# Altium PCB PCB5_制版20140402.PcbDoc (part 4 of 5) (continued)
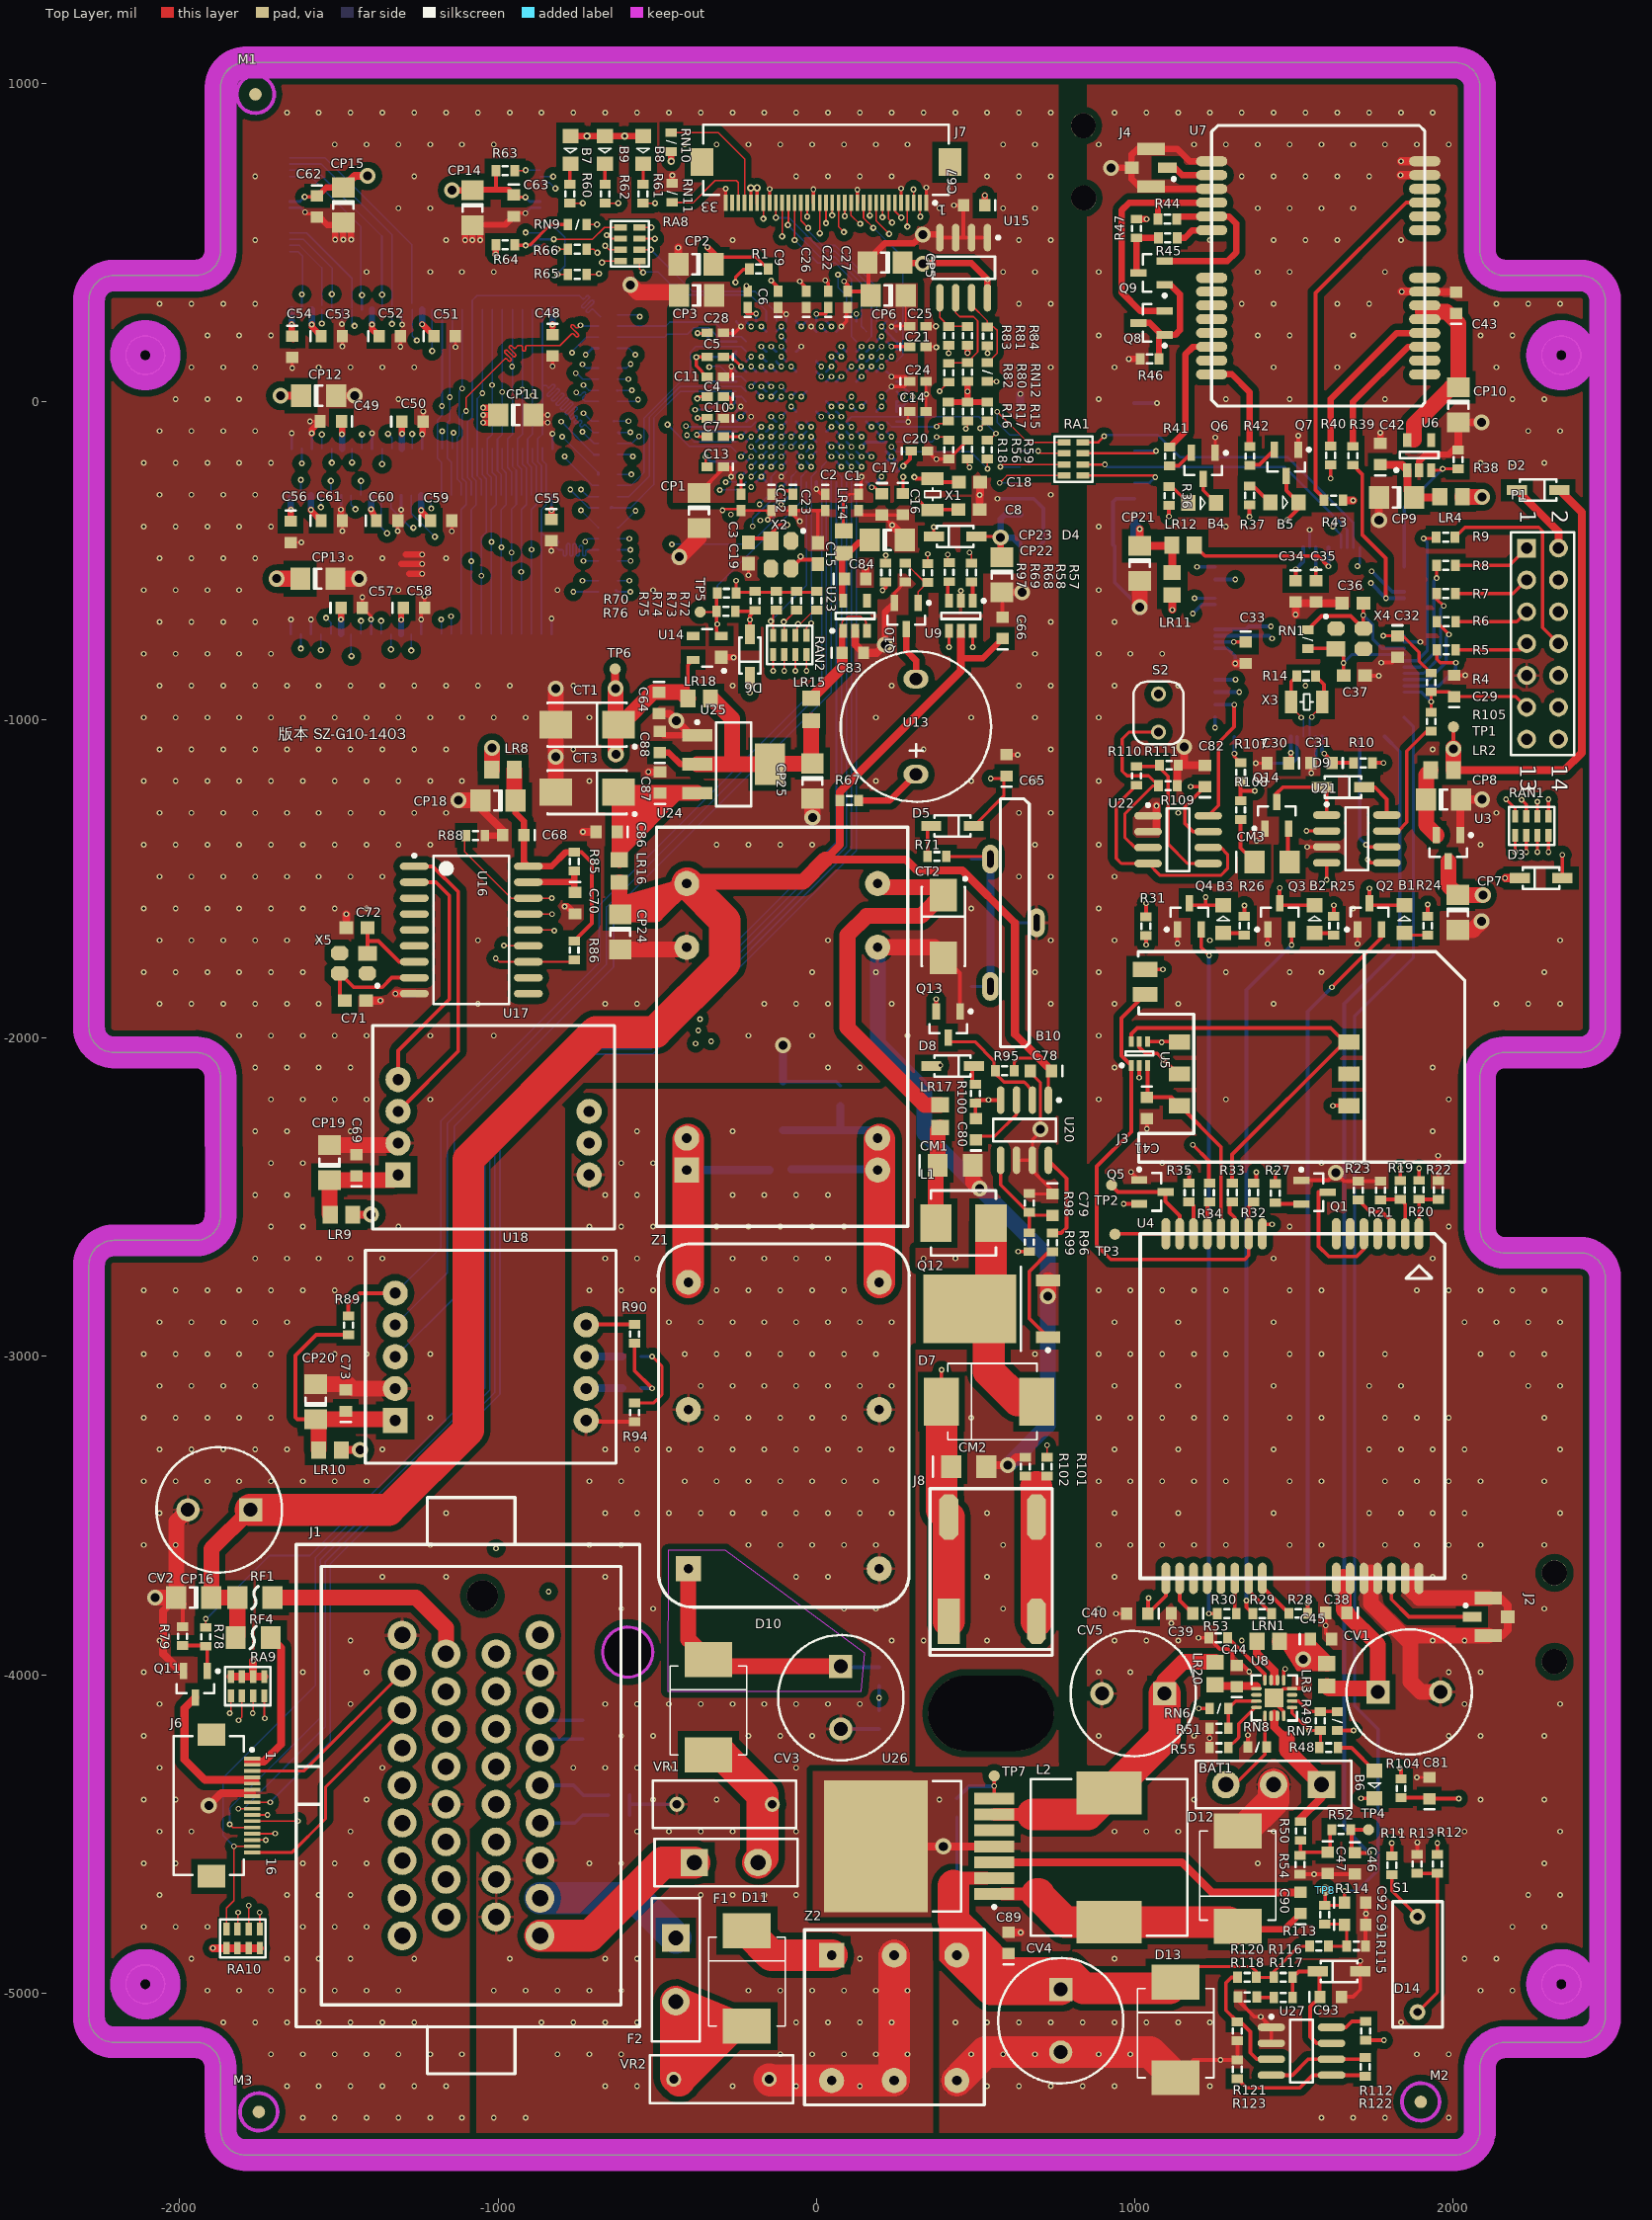
[diagram p0: Top Layer view]
## Nets (pads, with @x,y where several pads share a name; then routed paths per layer and width w, separated by ;. In a path a pad name is that pad's centre, name@x,y a point inside that pad or via, vN(x,y) a via of type N, cw(c..) or ccw(c..) an arc to the next point about the centre after c; other vN are vias at no path point) (continued)
  Top Layer w8: RA1.3@830.31,-162.5 RA1.3@838,-162.5 1059.5,-162.5 v1(1067,-155)
  ADDR w8: v1(1067,-155) 1385,-155 v1(1623,-393)
  Bottom Layer w8: U19.12@999.13,-155 v1(1067,-155) ; v1(1623,-393) 1648.18,-418.18 U2.68@1648.18,-457.98
MPLLCAP: C16.1 U1.N14 | length 218.1
  Top Layer w10: C16.1@272.76,-274.95 v5(272.76,-236.28)
  ADDR w5: v2(141.73,-173.23) 166.75,-198.25 201.96,-198.25 240,-236.28 v5(272.76,-236.28)
  Bottom Layer w8: U1.N14@125.99,-157.48 v2(141.73,-173.23)
MPLUSE: B5.2 Q7.3 U2.32 | length 801.7
  Top Layer w12: Q7.3@1476.76,-233.57 1476.76,-278.72 B5.2@1514.26,-316.23 1514.26,-336.74 v1(1479,-372)
  ADDR w12: v1(1317.34,-873.34) 1385,-805.68 1385,-466 v1(1479,-372)
  Bottom Layer w12: U2.32@1252.51,-873.34 v1(1317.34,-873.34)
MR: D9.1 Q14.3 U21.1 | length 276.6
  Top Layer w12: Q14.3@1444.16,-1262.55 1444.16,-1232.84 1465.77,-1211.23 D9.1@1587.83,-1211.23 1603.51,-1226.91 U21.1@1603.51,-1299
MRI: B1.2 Q2.3 U2.30 | length 1087.2
  Top Layer w10: Q2.3@1744.33,-1582.46 B1.2@1847.76,-1582.46
  Top Layer w12: Q2.3@1737.76,-1575.89 v1(1737.76,-1529.76)
  ADDR w12: v1(1329,-913) 1347,-931 1347,-1267 1520.91,-1440.91 1648.91,-1440.91 v1(1737.76,-1529.76)
  Bottom Layer w12: U2.30@1252.51,-912.71 1328.71,-912.71 v1(1329,-913)
MRST: C29.1 D3.1 P1.11 R4.2 R105.2 U2.96 | length 1065.9
  Top Layer w10: R4.2@1930.8,-912.71 R4.2@1931.76,-911.76 ; R105.2@1931.76,-975.7 v1(1931.76,-943) R4.2@1931.76,-911.76 ; P1.11@2231.76,-960.23 2198.22,-926.69 C29.1@2003.76,-926.69 1988.82,-911.76 R4.2@1931.76,-911.76 ; D3.1@2343.93,-1497 v1@2343.93,-1424.07
  ADDR w10: P1.11@2231.76,-960.23 2287,-1015.47 2287,-1173 2344,-1230 v1(2344,-1424)
  Bottom Layer w10: U2.96@1847,-912.71 1901.46,-912.71 v1(1931.76,-943)
MSPICLK1/GPG7: RA1.1 U2.71 U19.14 | length 1135.6
  Top Layer w8: RA1.1@830.31,-232.5 RA1.1@838,-232.5 1060.5,-232.5 v1(1065,-237)
  ADDR w8: v1(1065,-237) 1067,-235 1422,-235 1703,-516 1702,-517 v1(1700,-517)
  DATA w8: v1(1700,-517) v1@1704,-521
  Bottom Layer w8: U19.14@999.13,-255 1047,-255 v1(1065,-237) ; v1@1699,-516 1707.24,-507.76 U2.71@1707.24,-457.98
MSPISI1/GPG6: RA1.2 U2.69 U19.13 | length 978.3
  Top Layer w8: RA1.2@830.31,-197.5 RA1.2@838,-197.5 v1(906.5,-197.5)
  Bottom Layer w8: v1(906.5,-197.5) 914,-205 U19.13@999.13,-205 1471,-205 1667.87,-401.87 U2.69@1667.87,-457.98
MSPISO1/GPG5: RA1.4 U2.70 U19.11 | length 1057.7
  Top Layer w8: RA1.4@830.31,-127.5 RA1.4@838,-127.5 885.5,-127.5 v1(904,-109)
  Bottom Layer w8: v1(904,-109) 908,-105 U19.11@999.13,-105 1073,-105 1143,-175 1481.24,-175 1687.55,-381.32 U2.70@1687.55,-457.98
MSTU: B2.2 Q3.3 U2.48 | length 1259.8
  Top Layer w12: Q3.3@1455.76,-1575.89 v1(1455.76,-1528.24) ; Q3.3@1462.33,-1582.46 B2.2@1565.76,-1582.46
  ADDR w12: v1@1310,-563 1286.77,-586.23 1286.77,-812.11 1287.92,-813.26 1287.92,-1360.41 v1(1455.76,-1528.24)
  Bottom Layer w12: U2.48@1252.51,-558.38 v1(1316.38,-558.38)
MTCK: P1.7 R5.2 RAN1.5 | length 844
  Top Layer w10: R5.2@2008.58,-780 2211.98,-780 P1.7@2231.76,-760.23 ; RAN1.5@2300.5,-1303 v1(2300.5,-1249.5)
  ADDR w10: P1.7@2231.76,-760.23 2181.76,-810.23 2181.76,-1130.76 v1(2300.5,-1249.5)
MTDI: P1.3 R7.1 RAN1.7 | length 1072.6
  Top Layer w10: R7.1@2007.53,-603 2188.99,-603 P1.3@2231.76,-560.23 ; v1(2216,-1251) 2230.5,-1265.5 RAN1.7@2230.5,-1303
  ADDR w10: v1(2216,-1251) 2125,-1160 2125,-666.98 P1.3@2231.76,-560.23
MTDO: P1.1 R8.1 RAN1.8 | length 1186.9
  Top Layer w10: R8.1@2007.53,-514.5 2177.49,-514.5 P1.1@2231.76,-460.23 ; v1(2166.85,-1249.28) 2195.5,-1277.93 RAN1.8@2195.5,-1303
  ADDR w10: v1(2166.85,-1249.28) 2096,-1178.43 2096,-595.98 P1.1@2231.76,-460.23
MTEST: P1.8 R9.1 | length 667.1
  Top Layer w10: R9.1@2006.53,-426 2037.53,-395 2270,-395 2282,-407 2282,-710.47 P1.8@2331.76,-760.23
MTMS: P1.5 R6.1 RAN1.6 | length 958.2
  Top Layer w10: R6.1@2008.53,-691.5 2200.48,-691.5 P1.5@2231.76,-660.23 ; RAN1.6@2265.5,-1303 v1(2265.5,-1257)
  ADDR w10: P1.5@2231.76,-660.23 2153,-738.98 2153,-1144.5 v1(2265.5,-1257)
MWAKE_UP: B4.2 Q6.3 | length 91
  Top Layer w10: Q6.3@1215.76,-243.57 1215.76,-278.72 B4.2@1255.26,-318.23
NCON: R15.2 U1.R12 | length 389.6
  Top Layer w5: v1(514.72,-84) 514,-83.28 R15.2@536.76,-60.53
  ADDR w5: v2(204.73,-110.24) 220.72,-126.23 472.49,-126.23 v1(514.72,-84)
  Bottom Layer w8: U1.R12@188.98,-94.49 v2(204.73,-110.24)
NetB1_1: B1.1 R24.1 | length 66.2
  Top Layer w10: B1.1@1854.57,-1676.28 R24.1@1920.76,-1676.28
NetB2_1: B2.1 R25.1 | length 62.8
  Top Layer w12: B2.1@1565.76,-1669.47 1618.94,-1669.47 R25.1@1625.76,-1676.28
NetB3_1: B3.1 R26.1 | length 68.8
  Top Layer w12: B3.1@1278.76,-1669.47 1337.94,-1669.47 R26.1@1344.76,-1676.28
NetB4_1: B4.1 R36.1 | length 81.7
  Top Layer w10: R36.1@1108,-266.47 1116.5,-266.47 B4.1@1168.25,-318.23
NetB5_1: B5.1 R37.1 | length 88.5
  Top Layer w12: R37.1@1361,-265.47 1373.44,-265.47 1425.72,-317.76 B5.1@1427.25,-316.23
NetB6_1: B6.1 R48.2 | length 144.5
  Top Layer w12: R48.2@1639.28,-4229.23 1681.26,-4229.23 B6.1@1753.76,-4301.72
NetB7_2: B7.2 R60.1 | length 62.8
  Top Layer w10: R60.1@-774.61,682.79 B7.2@-774.61,745.59
NetB8_2: B8.2 R61.1 | length 64.3
  Top Layer w10: R61.1@-544.27,683.29 B8.2@-544.27,747.56
NetB9_2: B9.2 R62.1 | length 65.2
  Top Layer w10: B9.2@-664.34,747.56 -664.34,683.78 R62.1@-663.36,682.79
NetB10_1: B10.1 R71.1 | length 650.5
  Top Layer w10: R71.1@408.28,-1429.23 B10.1@538.76,-1429.23
  Bottom Layer w10: B10.1@486.76,-1837.23 B10.1@546.76,-1837.23 ; B10.1@486.76,-1437.23 B10.1@546.76,-1437.23
  Bottom Layer w25: B10.1@546.76,-1837.23 B10.1@546.76,-1437.23
NetC31_1: C31.1 R10.2 U2.11 | length 159
  Top Layer w12: v1(1596,-1106) C31.1@1620.46,-1130.46 ; C31.1@1620.46,-1135 R10.2@1688.47,-1135
  Bottom Layer w12: U2.11@1589.13,-1052.47 1589.13,-1099.13 v1(1596,-1106)
NetC34_1: C34.1 U2.62 | length 114.9
  Top Layer w12: C34.1@1505.76,-562.76 1506,-562.52 v1(1506,-527)
  Bottom Layer w12: v1(1506,-527) 1530.07,-502.93 U2.62@1530.07,-457.98
NetC39_1: C39.1 U4.17 | length 126.9
  Top Layer w12: U4.17@1141.53,-3697.23 1141.53,-3766.54 C39.1@1182.22,-3807.23
NetC42_1: C42.1 CP9.1 LR4.2 U6.1 | length 267.5
  Top Layer w25: C42.1@1772,-198.46 1839.82,-198.46 U6.1@1856.6,-215.24 1856.6,-279.48 CP9.1@1878.12,-301 1956.57,-301 LR4.2@1958.57,-299
NetC47_1: C47.1 R50.1 R52.2 R54.2 | length 187.7
  Top Layer w12: R54.2@1521,-4557.54 R50.1@1521,-4520.53 ; R54.2@1529.94,-4557.54 C47.1@1607,-4557.54 1614.47,-4550.06 R52.2@1614.47,-4487
NetC69_1: C69.1 CP19.1 LR9.2 U17.1 | length 332.6
  Top Layer w50: LR9.2@-1527.43,-2555 -1530,-2552.43 CP19.1@-1530,-2446.12 -1330.12,-2446.12 U17.1@-1314,-2430
NetC70_1: C70.1 R85.1 U16.17 | length 214.1
  Top Layer w20: U16.17@-904.87,-1510 -761,-1510 -760,-1509 ; R85.1@-760,-1474.53 -760,-1509 ; C70.1@-758,-1542.54 -760,-1540.54 -760,-1509
NetC71_1: C71.1 U16.8 X5.3 | length 356.7
  Top Layer w12: C71.1@-1481.46,-1882 -1497.31,-1866.16 X5.3@-1497.31,-1796.5 -1453.8,-1840 -1364,-1840 -1334,-1810 U16.8@-1263.13,-1810
NetC72_1: C72.1 U16.7 X5.1 | length 255.4
  Top Layer w12: X5.1@-1410.69,-1733.5 -1409.54,-1732.35 -1409.54,-1692.46 ; C72.1@-1409.54,-1653 -1409.54,-1692.46 ; U16.7@-1263.13,-1760 -1311,-1760 -1376,-1695 -1407,-1695 -1409.54,-1692.46
NetC76_1: C76.1 CP21.1 LR11.1 LR12.2 U19.16 | length 364.4
  Top Layer w25: v1(1016,-400) CP21.1@1016,-452.88 1114.68,-452.88 LR12.2@1116.57,-451 ; LR11.1@1118,-536.57 LR12.2@1118,-452.43
  Bottom Layer w25: U19.16@999.13,-355 999.13,-383.13 ; C76.1@1004.46,-455 999.13,-449.67 999.13,-383.13 ; v1(1016,-400) 999.13,-383.13
NetC79_2: C79.2 R98.2 R99.2 U20.5 | length 344
  Top Layer w10: U20.5@579,-2383.49 579,-2461 665.53,-2547.53 R98.2@669,-2547.53 ; R99.2@669,-2611.47 R98.2@669,-2547.53 ; C79.2@742,-2556.46 677.94,-2556.46 R98.2@669,-2547.53
NetC80_1: C80.1 U20.3 | length 209.1
  Top Layer w10: C80.1@493.54,-2308 561,-2308 629,-2240 U20.3@629,-2194.51
NetC80_2: C80.2 R100.1 R101.1 U20.4 | length 1364.3
  Top Layer w5: R101.1@724.76,-3316.7 v1(724.76,-3278.76)
  Top Layer w10: U20.4@575.46,-2228.54 579,-2225 U20.4@579,-2194.51
  Top Layer w12: C80.2@500,-2245.54 R100.1@500,-2203.53 500,-2194.53 U20.4@579,-2194.51
  ADDR w5: v1(541,-2194) 676,-2329 676,-2922 724.76,-2970.76 v1(724.76,-3278.76)
NetC81_1: C81.1 R104.2 U21.4 | length 3331.2
  Top Layer w12: v1(1603.51,-1502.49) U21.4@1603.51,-1449 ; R104.2@1837,-4386.53 1923.06,-4386.53 C81.1@1926,-4389.46 v1(2018.54,-4389.46)
  DATA w12: v1(1603.51,-1502.49) 1560,-1546 1560,-3618 1893,-3951 1893,-4144 2018.54,-4269.54 v1(2018.54,-4389.46)
NetC83_1: C83.1 LR15.1 U23.1 U23.3 | length 393.6
  Top Layer w5: U23.1@81.35,-715.47 81.35,-691.63 98.76,-674.23 138.76,-674.23 156.16,-691.63 U23.3@156.16,-715.47
  Top Layer w20: C83.1@81.35,-789.23 U23.1@81.35,-715.47
  Top Layer w35: LR15.1@-16.24,-931.79 81.29,-834.26 C83.1@81.29,-789.23
NetC84_1: C84.1 CP23.1 LR14.1 U23.5 | length 240.7
  Top Layer w20: U23.5@81.35,-620.98 81.35,-494.06 133.19,-442.23 CP23.1@173.64,-442.23
NetC85_1: C85.1 U24.22 U24.23 Z1.3 | length 708.5
  Top Layer w100: Z1.3@-402.24,-2767.23 U24.22@-402.24,-2319.23
  Bottom Layer w25: U24.23@-407.24,-2414.23 C85.1@-146.71,-2414.23
NetC90_1: C90.1 D12.2 L2.1 U26.1 | length 1004
  Top Layer w20: D12.2@1316.76,-4799.23 1471.77,-4799.23 C90.1@1515,-4756
  Top Layer w40: U26.1@583.98,-4689.23 694.01,-4689.01 698.69,-4689
  Top Layer w100: 698.69,-4689 694,-4689 781.98,-4776.98 L2.1@919.76,-4776.98 1294.51,-4776.98 D12.2@1316.76,-4799.23
NetC90_2: C90.2 U26.3 | length 1001.1
  Top Layer w25: U26.3@558.98,-4589.23 1148.69,-4589.23 1243,-4683.54 C90.2@1521,-4683.54
NetC91_1: C91.1 R113.1 R114.1 R115.2 | length 190.8
  Top Layer w10: R114.1@1597,-4783.53 1657.06,-4783.53 C91.1@1659.54,-4786 1666.47,-4792.94 R115.2@1666.47,-4852 1665.47,-4853 R113.1@1608.53,-4853
NetC93_1: C93.1 D14.2 R116.1 R117.1 U27.7 | length 439.4
  Top Layer w12: R117.1@1496.53,-5014 R116.1@1496.53,-4951 1515.53,-4932 D14.2@1575.07,-4932 ; D14.2@1580.54,-4937.47 C93.1@1580.54,-5014 ; C93.1@1582.54,-5012 C93.1@1580.54,-5014 ; U27.7@1618.49,-5158 1572,-5158 1552,-5138 1552,-5042.54 C93.1@1580.54,-5014
NetCM2_1: CM2.1 D7.2 J8.1 R99.1 | length 1310
  Top Layer w10: D7.2@393,-3142 393,-3043 v1(394,-3042) ; v1(634.47,-2670.53) R99.1@669,-2670.53
  Top Layer w100: D7.2@393.76,-3137.23 393.76,-3482.2 J8.1@415.96,-3504.41 J8.1@415.96,-3832.05
  ADDR w10: v1(394,-3042) 634.47,-2801.53 v1(634.47,-2670.53)
NetCM3_1: CM3.1 R108.2 | length 151.6
  Top Layer w12: R108.2@1332.76,-1312.76 1332.76,-1402.35 CM3.1@1376.64,-1446.23
NetCM3_2: CM3.2 Q14.2 | length 95.7
  Top Layer w12: CM3.2@1481.56,-1440.91 Q14.2@1481.56,-1345.23
NetCP8_1: CP8.1 LR2.2 U3.2 | length 223.6
  Top Layer w50: LR2.2@1930.57,-1158 1915.64,-1172.93 CP8.1@1915.64,-1250.23 1915.64,-1329.17 U3.2@1948.35,-1361.89
NetCT2_1: CT2.1 LR17.1 U24.11 | length 1211.6
  Top Layer w50: U24.11@197.76,-1526.23 CT2.1@372.18,-1526.23 ; LR17.1@389,-2209.57 340.57,-2209.57 98,-1967 98,-1676 158,-1616 328.56,-1616 CT2.1@398.76,-1545.8
NetCV5_1: CV5.1 L2.2 LR20.1 U26.6 | length 997.6
  Top Layer w40: U26.6@558.98,-4439.23 679,-4439
  Top Layer w50: CV5.1@1094.18,-4059.23 1094.18,-4017.82 1152.2,-3959.79 LR20.1@1253,-3959.79
  Top Layer w100: 679,-4439 852,-4439.23 L2.2@919.76,-4371.47 1094.18,-4197.05 CV5.1@1094.18,-4059.23
NetD2_1: D2.1 P1.2 | length 236.4
  Top Layer w25: D2.1@2201.07,-278 2331.76,-408.69 P1.2@2331.76,-460.23
NetD5_1: D5.1 R71.2 | length 100.8
  Top Layer w10: R71.2@349.23,-1429.23 349.23,-1344.83 D5.1@360.83,-1333.23
NetD7_1: D7.1 L1.2 Q12.4 | length 658
  Top Layer w100: L1.2@548.61,-2581 548.61,-2903.39 541.81,-2910.18 541.81,-3046.81 632.23,-3137.23 D7.1@693.76,-3137.23
NetD8_2: D8.2 R100.2 | length 64.1
  Top Layer w12: D8.2@473.93,-2085 490,-2101.07 R100.2@490,-2142.47
NetD9_2: D9.2 U21.8 | length 136.2
  Top Layer w12: D9.2@1721.69,-1211.23 1754.23,-1211.23 1792.49,-1249.49 U21.8@1792.49,-1299
NetD10_1: D10.1 F1.2 VR1.1 | length 440.5
  Top Layer w100: D10.1@-339.24,-4252.23 -294.77,-4252.23 -169,-4378 -169,-4575.98 F1.2@-183.24,-4590.23
NetD11_1: D11.1 F2.2 VR2.1 | length 536.7
  Top Layer w100: F2.2@-441.24,-5027.23 -441.24,-5264.23 -431,-5274.47 -431,-5271.23 -264,-5104.23 D11.1@-218.24,-5104.23
NetD11_2: D11.2 Z2.1 | length 298
  Top Layer w100: D11.2@-218.24,-4804.23 -141.24,-4881.23 Z2.1@47.91,-4881.23
NetJ1_17: J1.17 RF1.2 | length 666.8
  Top Layer w50: RF1.2@-1708.88,-3758 -1257.58,-3758 -1163.36,-3852.22 J1.17@-1163.36,-3934.49
NetJ3_2: J3.2 R35.2 U5.5 | length 600.9
  Top Layer w12: U5.5@1014.76,-2010.83 1014.76,-2028.54 1034.21,-2048 1071,-2048 v1(1090,-2067) 1135.23,-2112.23 J3.2@1141.26,-2112.23 ; R35.2@1171,-2455.47 v1(1171,-2421)
  ADDR w12: v1(1090,-2067) 1090,-2340 v1(1171,-2421)
NetJ3_3: J3.3@1141.26,-2012.23 R34.2 U5.4 | length 605.5
  Top Layer w12: U5.4@1040.35,-2010.83 1139.86,-2010.83 J3.3@1141.26,-2012.23 ; v1(1183,-2335) 1233.19,-2385.19 R34.2@1233.19,-2455.47
  ADDR w12: v1(1085,-2012.83) 1147,-2074.83 1147,-2299 v1(1183,-2335)
NetJ3_7: J3.7 R33.2 U5.6 | length 1310.6
  Top Layer w12: U5.6@989.17,-2010.83 989.17,-1986.83 1008,-1968 1615.77,-1968 1660,-2012.23 1306.55,-2365.68 R33.2@1306.55,-2455.47
NetJ4_1: J4.1 U7.16 | length 164.5
  Top Layer w20: J4.1@1087.18,735 J4.1@1103.18,735 1126,735 1149.21,711.79 U7.16@1242.11,711.79
NetJ5_11: 
NetJ6_1: J6.1 J6.2 RF4.1 | length 475.4
  Top Layer w25: -1785,-4273 -1736,-4273 -1681,-4218 -1681,-3915.88 RF4.1@-1713.88,-3883
NetJ6_4: J6.4 J6.5 Q11.3 | length 459.5
  Top Layer w25: Q11.3@-1951,-4071.34 -1985,-4105.34 -1985,-4267 -1921,-4331 -1766,-4331 -1763,-4334
NetJ8_2: J8.2 R101.2 R102.1 | length 422.3
  Top Layer w100: 691,-3410 691.55,-3410.55 J8.2@691.55,-3504.41 J8.2@691.55,-3832.05
NETLIGHT: R30.1 U4.21 | length 106.5
  Top Layer w10: R30.1@1314.76,-3803.7 U4.21@1314.76,-3697.23
NetLRN1_1: LRN1.1 R48.1 R49.1 RN6.1 U8.5 U8.10 U8.11 | length 915.6
  Top Layer w10: v1(1201.23,-4106.23) RN6.1@1235.7,-4106.23 ; U8.5@1494.86,-4102.76 1494.86,-4120.86 v1(1548.76,-4174.76) R49.1@1583.76,-4174.76 1583.76,-4225.7 R48.1@1580.23,-4229.23
  Top Layer w25: LRN1.1@1384.32,-3895.23 1384.32,-3932.32 v1(1409,-3957) 1439,-3987 1439,-4022
  ADDR w10: v1(1201.23,-4106.23) 1350.46,-3957 v1(1409,-3957) 1411,-3957 1548.76,-4094.76 v1(1548.76,-4174.76)
NetQ1_2: Q1.2 R27.2 | length 53.3
  Top Layer w12: R27.2@1453.7,-2521 Q1.2@1507,-2521
NetQ2_2: Q2.2 R28.2 | length 2244.5
  Top Layer w12: R28.2@1543.81,-3807.23 v1(1543.81,-3775.19) ; v1(1620,-1840) 1775.16,-1684.84 Q2.2@1775.16,-1658.57
  Bottom Layer w12: v1(1543.81,-3775.19) 1543.81,-1916.19 v1(1620,-1840)
NetQ3_2: Q3.2 R29.2 | length 2216.9
  Top Layer w12: v1@1351,-3772 1351,-3788 R29.2@1371.23,-3808.23 ; v1(1493.16,-1706.84) Q3.2@1493.16,-1658.57
  Bottom Layer w12: v1@1351,-3772 v1(1351,-3767) 1351,-1849 v1(1493.16,-1706.84)
NetQ4_2: Q4.2 R30.2 | length 2186.9
  Top Layer w12: Q4.2@1209.16,-1658.57 1209.16,-1715.16 v1(1234,-1740) ; v1(1233.23,-3808.23) R30.2@1260.23,-3808.23
  Bottom Layer w12: v1(1233.23,-3808.23) v1@1233.23,-1740
NetQ5_2: Q5.2 R31.2 | length 920.7
  Top Layer w12: v1(965.63,-2520.63) Q5.2@1014.42,-2520.63 ; v1(1035.76,-1706.24) R31.2@1035.76,-1677.76
  ADDR w12: v1(965.63,-2520.63) 965.63,-1776.37 v1(1035.76,-1706.24)
NetQ6_2: Q6.2 R41.2 | length 85.2
  Top Layer w12: R41.2@1110,-201.53 1137.71,-201.53 Q6.2@1178.35,-160.89
NetQ7_2: Q7.2 R42.2 | length 87.4
  Top Layer w12: R42.2@1371.76,-198.76 1391.49,-198.76 Q7.2@1439.35,-150.89
NetQ8_1: Q8.1 Q8.3 Q9.1 R46.2 | length 413.6
  Top Layer w20: Q8.3@1002.66,247 Q8.3@1011.66,247 1047.94,247 Q8.1@1085.34,209.6 ; R46.2@1076.53,134 1076.53,200.79 Q8.1@1085.34,209.6 ; Q9.1@1094.34,366.6 1113.4,366.6 1142,338 1142,224 1127.6,209.6 Q8.1@1094.34,209.6 Q8.1@1085.34,209.6
NetQ10_1: Q10.1 R68.2 R69.1 | length 171.8
  Top Layer w5: R69.1@280,-507.47 340.06,-567.53 R68.2@350,-567.53 320,-597.53 Q10.1@320,-632
NetQ10_3: Q10.3 U13.2 | length 169.4
  Top Layer w20: Q10.3@282.6,-714.68 282.6,-782.6 313.02,-813.02 U13.2@313.02,-871.5
NetQ11_1: Q11.1 R78.1 R79.1 | length 153.8
  Top Layer w12: R79.1@-1991,-3908.53 -1920.05,-3908.53 R78.1@-1918.05,-3910.53 -1913.6,-3914.97 Q11.1@-1913.6,-3988.66
NetQ12_1: Q12.1 R96.1 | length 329.9
  Top Layer w12: Q12.1@727.92,-2939.99 669,-2881.07 669,-2733 730.47,-2671.53 R96.1@742,-2671.53
NetQ13_2: Q13.2 R97.2 | length 1436.1
  Top Layer w12: v1(208,-593) 218,-583 R97.2@218,-566.53 ; Q13.2@376.6,-1928.66 Q13.2@376.6,-1915.66 v1(376.6,-1877.4)
  ADDR w12: v1(208,-593) 376.6,-761.6 v1(376.6,-1877.4)
NetQ13_3: Q13.3 R95.2 U20.2 | length 379.6
  Top Layer w10: Q13.3@414,-2011.34 498.34,-2011.34 557.97,-2070.97 557.97,-2106.5 589.47,-2138 653,-2138 679,-2164 U20.2@679,-2194.51
NetR5_1: R5.1 U2.95 | length 297
  Top Layer w10: R5.1@1949.53,-780 1949.53,-809.53 1960,-820 v1(2009,-820)
  Bottom Layer w10: U2.95@1847,-893.02 1955.98,-893.02 2008.28,-840.72 v1@2008.28,-820
NetR6_2: R6.2 U2.94 | length 301.7
  Top Layer w10: R6.2@1949.48,-691.5 1949.48,-693.48 v1(1988,-732)
  Bottom Layer w10: U2.94@1847,-873.34 1924.66,-873.34 1979.06,-818.94 1979.06,-740.94 v1(1988,-732)
NetR7_2: R7.2 U2.93 | length 347.3
  Top Layer w10: R7.2@1948.48,-603 1948.48,-619.48 v1(1971,-642)
  Bottom Layer w10: U2.93@1847,-853.65 1908.35,-853.65 1961,-801 1961,-652 v1(1971,-642)
NetR8_2: R8.2 U2.92 | length 390.8
  Top Layer w10: v1(1948.48,-554.48) R8.2@1948.48,-514.5
  Bottom Layer w10: U2.92@1847,-833.97 1897.03,-833.97 1940,-791 1940,-562.95 v1(1948.48,-554.48)
NetR9_2: R9.2 U2.91 | length 483.6
  Top Layer w10: v1(1908,-430) 1943.47,-430 R9.2@1947.48,-426
  Bottom Layer w10: U2.91@1847,-814.28 1887.72,-814.28 1919,-783 1919,-441 v1(1908,-430)
NetR11_2: R11.2 S1.2 | length 165.3
  Top Layer w10: R11.2@1808,-4628.23 1808,-4679 S1.2@1889,-4760
NetR12_2: R12.2 R13.2 S1.1 | length 524.5
  Top Layer w10: R13.2@1888,-4624.23 R12.2@1951,-4624.23 1951,-4998 S1.1@1889,-5060
NetR23_2: R23.2 U4.3 | length 171.6
  Top Layer w12: R23.2@1702.76,-2507.76 1740,-2545 1777,-2545 1806.88,-2574.88 U4.3@1806.88,-2614.55
NetR43_1: R43.1 U7.11 | length 1124.6
  Top Layer w12: R43.1@1601.47,-310 1569,-277.53 1569,341 1853.17,625.17 U7.11@1911.4,625.17
NetR51_1: R51.1 RN6.2 U8.15 | length 159
  Top Layer w10: R51.1@1294.76,-4167.73 RN6.2@1294.76,-4106.23 1317.91,-4083.07 U8.15@1382.65,-4083.07
NetR53_1: R53.1 U8.12@1409.23,-4017.13 | length 182.8
  Top Layer w12: R53.1@1292.28,-3884.23 1294.72,-3884.23 1409.23,-3998.74 U8.12@1409.23,-4017.13
NetR55_1: R55.1 U8.16 | length 165.5
  Top Layer w10: R55.1@1294.76,-4229.23 1327,-4196.98 1327,-4154 1378.24,-4102.76 U8.16@1382.65,-4102.76
NetR57_2: R57.2 U9.1 | length 54.8
  Top Layer w12: U9.1@491.4,-625.76 R57.2@491.4,-570.93
NetR58_2: R58.2 U9.3 | length 56.6
  Top Layer w12: U9.3@413,-622.16 R58.2@413,-565.53
NetR64_2: R64.2 RN9.1 U12.19 | length 274.8
  Top Layer w10: v3(-913.3,490.77) -946.89,490.77 -947.81,491.69 -900.57,491.69 -835.6,556.65 RN9.1@-780.49,556.65
  Bottom Layer w8: v3(-913.3,490.77) U12.19@-867.62,490.77
NetR67_1: R67.1 U13.1 | length 213.9
  Top Layer w20: R67.1@133.28,-1253.23 230.5,-1253.23 U13.1@313.02,-1170.71
NetR80_2: R80.2 R82.1 U15.6 | length 328.9
  Top Layer w5: R82.1@416.76,120.3 418.76,122.3 472.76,122.3 506.76,156.3 506.76,254.24 494,267 450.53,267 437.76,279.77 U15.6@437.76,326.28
NetR81_2: R81.2 R83.1 U15.5 | length 157.6
  Top Layer w5: U15.5@387.76,326.28 387.76,264.3 R83.1@415.76,236.3 R81.2@471.76,236.3
NetR84_2: R84.2 RN12.1 U15.7 | length 261.3
  Top Layer w5: U15.7@487.76,326.28 487.76,303.24 537.76,253.24 R84.2@537.76,234.77 557.76,234.77 567.76,224.77 567.76,152.3 RN12.1@537.76,122.3
NetR90_2: R90.2 U18.7 | length 154.2
  Top Layer w12: U18.7@-723,-2901 -721.47,-2899.47 R90.2@-571,-2899.47
  Bottom Layer w25: U18.7@-723,-2901 U18.7@-721.87,-2899.87
NetR91_2: R91.2 U18.8 | length 112.1
  Bottom Layer w25: U18.8@-721.93,-2999.93 R91.2@-609.83,-2999.93
NetR93_2: R93.2 U18.9 | length 112.2
  Bottom Layer w25: U18.9@-722,-3100 R93.2@-609.83,-3100
NetR96_2: R96.2 U20.8 | length 286.9
  Top Layer w12: U20.8@729,-2383.49 786,-2440.49 786,-2596 769.53,-2612.47 R96.2@742,-2612.47
NetR103_2: R103.2 R104.1 R106.1 | length 1855
  Top Layer w12: v1(1833,-4293) 1837,-4297 R104.1@1837,-4327.47
  ADDR w12: v1(197.22,-4073) 197.22,-4101.22 371,-4275 1815,-4275 v1(1833,-4293)
  Bottom Layer w12: R106.1@197.22,-4111.07 v1(197.22,-4073) R103.2@197.22,-4035.65
NetR105_1: R105.1 U21.7 | length 400.6
  Top Layer w10: U21.7@1792.49,-1349 1828,-1349 1855,-1322 1855,-1098 1918.24,-1034.76 R105.1@1931.76,-1034.76
NetR107_1: R107.1 R108.1 U21.5 | length 613.3
  Top Layer w12: R108.1@1332.76,-1253.7 1332.76,-1223 ; R107.1@1332.76,-1193.76 1332.76,-1223 ; v1(1377.87,-1223) 1332.76,-1223 ; v1(1732,-1439) 1742,-1449 U21.5@1792.49,-1449
  ADDR w12: v1(1377.87,-1223) 1516,-1223 v1(1732,-1439)
NetR109_1: R109.1 S2.1 U22.3 | length 659.8
  Top Layer w10: U22.3@1042.27,-1401.23 1001.23,-1401.23 969,-1369 969,-1296 1057.77,-1207.23 R109.1@1075.23,-1207.23 1044,-1176 976,-1176 961,-1161 961,-1060 982.77,-1038.23 S2.1@1074.76,-1038.23
NetR110_1: R110.1 R111.1 U22.5 | length 476.6
  Top Layer w10: R110.1@1005.76,-1146.23 1074.23,-1146.23 1105,-1177 1105,-1390 1166.23,-1451.23 U22.5@1231.25,-1451.23
NetR110_2: R110.2 U22.4 U22.6 | length 751.7
  Top Layer w10: R110.2@1005.76,-1205.28 942,-1269.04 942,-1435 958.23,-1451.23 U22.4@1042.27,-1451.23 1079.04,-1488 1272,-1488 1292,-1468 1292,-1422 1271.23,-1401.23 U22.6@1231.25,-1401.23
NetR112_2: R112.2 RN13.2 TP7.1 U26.7 | length 1840.1
  Top Layer w12: U26.7@558.98,-4389.23 v1(558.98,-4350.02) ; v1(558.98,-4350.02) TP7.1@559,-4318 ; R112.2@1726,-5148.53 v1(1783.53,-5148.53)
  ADDR w12: v1@560,-4349 1024,-4349 1783.53,-5108.53 v1(1783.53,-5148.53)
  Bottom Layer w12: RN13.2@441.76,-4388.7 480.43,-4350.02 v1(558.98,-4350.02)
NetR117_2: R117.2 R118.1 | length 50.9
  Top Layer w12: R118.1@1384.53,-5014 R117.2@1435.47,-5014
NetR120_1: R120.1 R121.1 U27.3 | length 374.8
  Top Layer w12: R120.1@1323.47,-4951 1304,-4951 1287,-4968 1287,-5054.47 R121.1@1323,-5090.47 1332.47,-5090.47 1364,-5122 1364,-5188 1384,-5208 U27.3@1429.51,-5208
NetR122_1: R122.1 R123.1 U27.5 | length 425.8
  Top Layer w12: R123.1@1323,-5269.53 1351.47,-5298 1519,-5298 1559,-5258 U27.5@1618.49,-5258 R122.1@1720.47,-5258
NetRF3_1: 
NRESET: R70.2 R76.2 TP5.1 U1.H16 U14.2 | length 785.3
  Top Layer w5: TP5.1@-365,-661 R76.2@-315.53,-661
  Top Layer w10: R70.2@-311.53,-602 -313.53,-604 R76.2@-313.53,-659 -313.53,-721.78 U14.2@-298.71,-736.6
  Bottom Layer w5: v1(-311,-699) -311,-577.98 -48,-314.98 -48,-236.98 U1.H16@-31.5,-220.47
NSS0/EINT10/GPG2: R88.1 U1.J10 U16.16 | length 2454.4
  Top Layer w5: R88.1@-1105.53,-1365 -1105.53,-1413.47 -959,-1560 U16.16@-904.87,-1560 v1(-831,-1560)
  DATA w5: v1(-831,-1560) -768.84,-1560 -461.06,-1252.22 -230.5,-1252.22 32,-989.72 32,-222 15.75,-205.75 v2(15.75,-47.24)
  Bottom Layer w8: U1.J10@0,-31.5 v2(15.75,-47.24)
NSS1/EINT11/GPG3: RA1.6 U1.R10 U19.5 | length 727.6
  Top Layer w5: v1(697,-155) 704.5,-162.5 RA1.6@770.31,-162.5
  ADDR w5: v2(204.73,-15.75) 596.75,-15.75 697,-116 v1(697,-155)
  Bottom Layer w5: U19.5@640.87,-155 v1(697,-155)
  Bottom Layer w8: U1.R10@188.98,-31.5 v2(204.73,-15.75)
NTRST: D6.1 R75.2 R76.1 U1.H15 | length 739.2
  Top Layer w12: R76.1@-254.47,-659 -195.47,-659 -209,-672.53 v1(-209,-685) D6.1@-209,-731.07
  ADDR w5: v1(-209,-685) -175.02,-685 -15.75,-525.73 v2(-15.75,-204.72)
  Bottom Layer w8: U1.H15@-31.5,-188.98 v2(-15.75,-204.72)
NWAIT: R1.2 U1.E4 | length 339.9
  Top Layer w10: v3(-253.91,374.57) -253.91,390.31 -229.31,414.92 -212.57,414.92 R1.2@-210.77,416.72
  ADDR w5: v3(-253.91,374.57) -141.73,262.39 v2(-141.73,173.23)
  Bottom Layer w8: v2(-141.73,173.23) U1.E4@-125.98,157.48
ON/OFF: R112.1 U27.8 | length 115.2
  Top Layer w12: U27.8@1618.49,-5108 1664,-5108 1682.53,-5089.47 R112.1@1726,-5089.47
P1_3: U2.20
P1_4: U2.21
P1_5: U2.22
P1_6: U2.23
P1_7: U2.24
P2_1: R12.1 U2.26 | length 3863
  Top Layer w12: R12.1@1951,-4565.17 v1(1951,-4529)
  DATA w12: v1(1252.51,-1024.49) 1265,-1036.98 1265,-3418 1847,-4000 1847,-4168 1951,-4272 v1(1951,-4529)
  Bottom Layer w12: v1(1252.51,-1024.49) U2.26@1252.51,-991.45
P2_2: U2.27
P2_3: U2.28 U22.8 | length 443.4
  Top Layer w10: U22.8@1231.25,-1301.23 1263.47,-1269 1263.47,-1143
  Top Layer w12: 1263.47,-1143 1263.47,-1071.53 1312.92,-1022.08 v1(1312.92,-952.08)
  Bottom Layer w12: U2.28@1252.51,-952.08 v1(1312.92,-952.08)
P2_4: U2.29
P2_6: U2.31
P3_0: U2.33
P3_1: U2.34
P3_2: U2.35
P3_3: U2.36
P3_4: R19.1 U2.39 | length 2060
  Top Layer w12: R19.1@1834.76,-2447.7 v1(1834.76,-2407.24)
  ADDR w12: v1(1432,-744) 1443,-744 1834.76,-1135.76 v1(1834.76,-2407.24)
  Bottom Layer w12: U2.39@1252.51,-735.54 1423.54,-735.54 v1(1432,-744)
P3_5: R20.1 U2.40 | length 2139
  Top Layer w12: R20.1@1893.76,-2446.7 v1(1893.76,-2409.24)
  ADDR w12: v1(1428,-706) 1472,-706 1893.76,-1127.76 v1(1893.76,-2409.24)
  Bottom Layer w12: U2.40@1252.51,-715.86 1349.14,-715.86 1359,-706 v1(1428,-706)
P3_6: U2.41
P3_7: U2.42
P4_3: U2.46
P4_4: U2.47
P4_6: U2.49
P5_1: U2.10
P5_6: U2.53
P5_7: U2.54
P6_0: U2.97
P6_1: U2.98
P6_2: U2.99
P6_4: C46.1 R52.1 TP4.1 U2.1 | length 3812.7
  Top Layer w12: R52.1@1673.53,-4487 1682,-4495.47 1682,-4549.54 C46.1@1692,-4559.54 v1(1736.46,-4559.54) ; R52.1@1678.53,-4487 TP4.1@1735,-4487
  Bottom Layer w12: v1(1736.46,-4559.54) 1658,-4481.07 1658,-1892 1833,-1717 1833,-1099.5 U2.1@1785.98,-1052.47
P6_5: U2.2
P6_6: U2.3
P6_7: U2.4
P7_5: U2.6
P7_6: U2.7
P7_7: U2.8
P8_2: U2.59
P8_3: U2.60
P8_4: U2.61
P8_5: U2.65
P8_6: LR12.1 U2.66 | length 508.9
  Top Layer w12: LR12.1@1187.43,-451 1221.43,-485 1576,-485 v1(1608.81,-517.81)
  Bottom Layer w12: v1(1608.81,-517.81) U2.66@1608.81,-457.98
P8_7: U2.67
P9_4: U2.72
P9_5: U2.73
P9_6: U2.74
P9_7: U2.75
P10_1: U2.77
P10_2: U2.78
P10_3: U2.79
P10_4: R40.2 U2.80 | length 516.7
  Top Layer w12: v1(1616,-241) R40.2@1616,-198.53
  ADDR w12: v1(1616,-241) 1616,-302 1745,-431 v1(1745,-533)
  Bottom Layer w12: v1(1745,-533) 1809.75,-597.75 U2.80@1847,-597.75
P10_5: R39.2 U2.81 | length 585.4
  Top Layer w12: R39.2@1686,-199.53 1715,-228.53 1715,-418 1789.43,-492.43 v1(1789.43,-617.43)
  Bottom Layer w12: v1(1742,-570) v1(1789.43,-617.43) U2.81@1847,-617.43
P10_6: U2.82
P10_7: U2.83
P11_0: U2.84
P11_1: U2.85
P11_2: U2.86
P\G\O\O\D\: U8.7
PLUSE: R42.1 U7.28 | length 313.9
  Top Layer w20: U7.28@1242.11,85.8 1305.2,85.8 1362,29 R42.1@1362,-141.47
POWER_UP: R107.2 U2.25 | length 90.2
  Top Layer w10: v1(1313.54,-1105.54) 1313.54,-1115.48 R107.2@1332.76,-1134.7
  Bottom Layer w10: v1(1313.54,-1105.54) U2.25@1313.54,-1052.47
PWRKEY: Q5.3 TP2.1 U4.14 | length 337.7
  Top Layer w12: TP2.1@934,-2450 934,-2469 948.23,-2483.23 Q5.3@1097.09,-2483.23 1097.09,-2513.09 1141.53,-2557.53 U4.14@1141.53,-2614.55
REF: R122.2 U27.4 U27.6 | length 317.5
  Top Layer w12: U27.4@1429.51,-5258 1495,-5258 1545,-5208 U27.6@1618.49,-5208 1718.47,-5208 R122.2@1724,-5202.47
REF+: U2.9
RI: R28.1 U4.23 | length 144.5
  Top Layer w12: U4.23@1401.37,-3697.23 1401.37,-3723.84 R28.1@1484.76,-3807.23
RS_N: C75.1 J1.29 R91.1 R92.2 R94.1 | length 2126
  Top Layer w10: R94.1@-571,-3146.47 -511.47,-3146.47 -485,-3120 -485,-3030.93 v1(-516,-2999.93)
  ADDR w10: J1.29@-868.08,-4465.99 -701,-4298.9 -701,-3820 -485,-3604 -485,-3030.93 v1(-516,-2999.93)
  Bottom Layer w10: J1.29@-868.08,-4465.99 -758.83,-4465.99 -734.23,-4441.38 C75.1@-654.5,-4441.38 ; R91.1@-550.77,-2999.93 v1(-516,-2999.93)
RS_P: C74.1 J1.30 R90.1 R92.1 R93.1 | length 1820.8
  Top Layer w12: R90.1@-571,-2958.53 -571,-3045 v1(-516,-3100)
  ADDR w12: J1.30@-868.08,-4347.88 -728,-4207.79 -728,-3802 -516,-3590 v1(-516,-3100)
  Bottom Layer w12: J1.30@-868.08,-4347.88 -762.77,-4347.88 R92.1@-731.27,-4379.37 -654.5,-4379.37 C74.1@-653.52,-4378.39 ; R93.1@-550.77,-3100 v1(-516,-3100)
RXCAN: U16.2 U17.4 | length 772.2
  Top Layer w12: U17.4@-1314,-2130 -1314,-2039 -1153,-1878 -1153,-1552 -1195,-1510 U16.2@-1263.13,-1510